# Altium PCB ALCT_MEZ_LX100.PcbDoc (part 2 of 10) (continued)
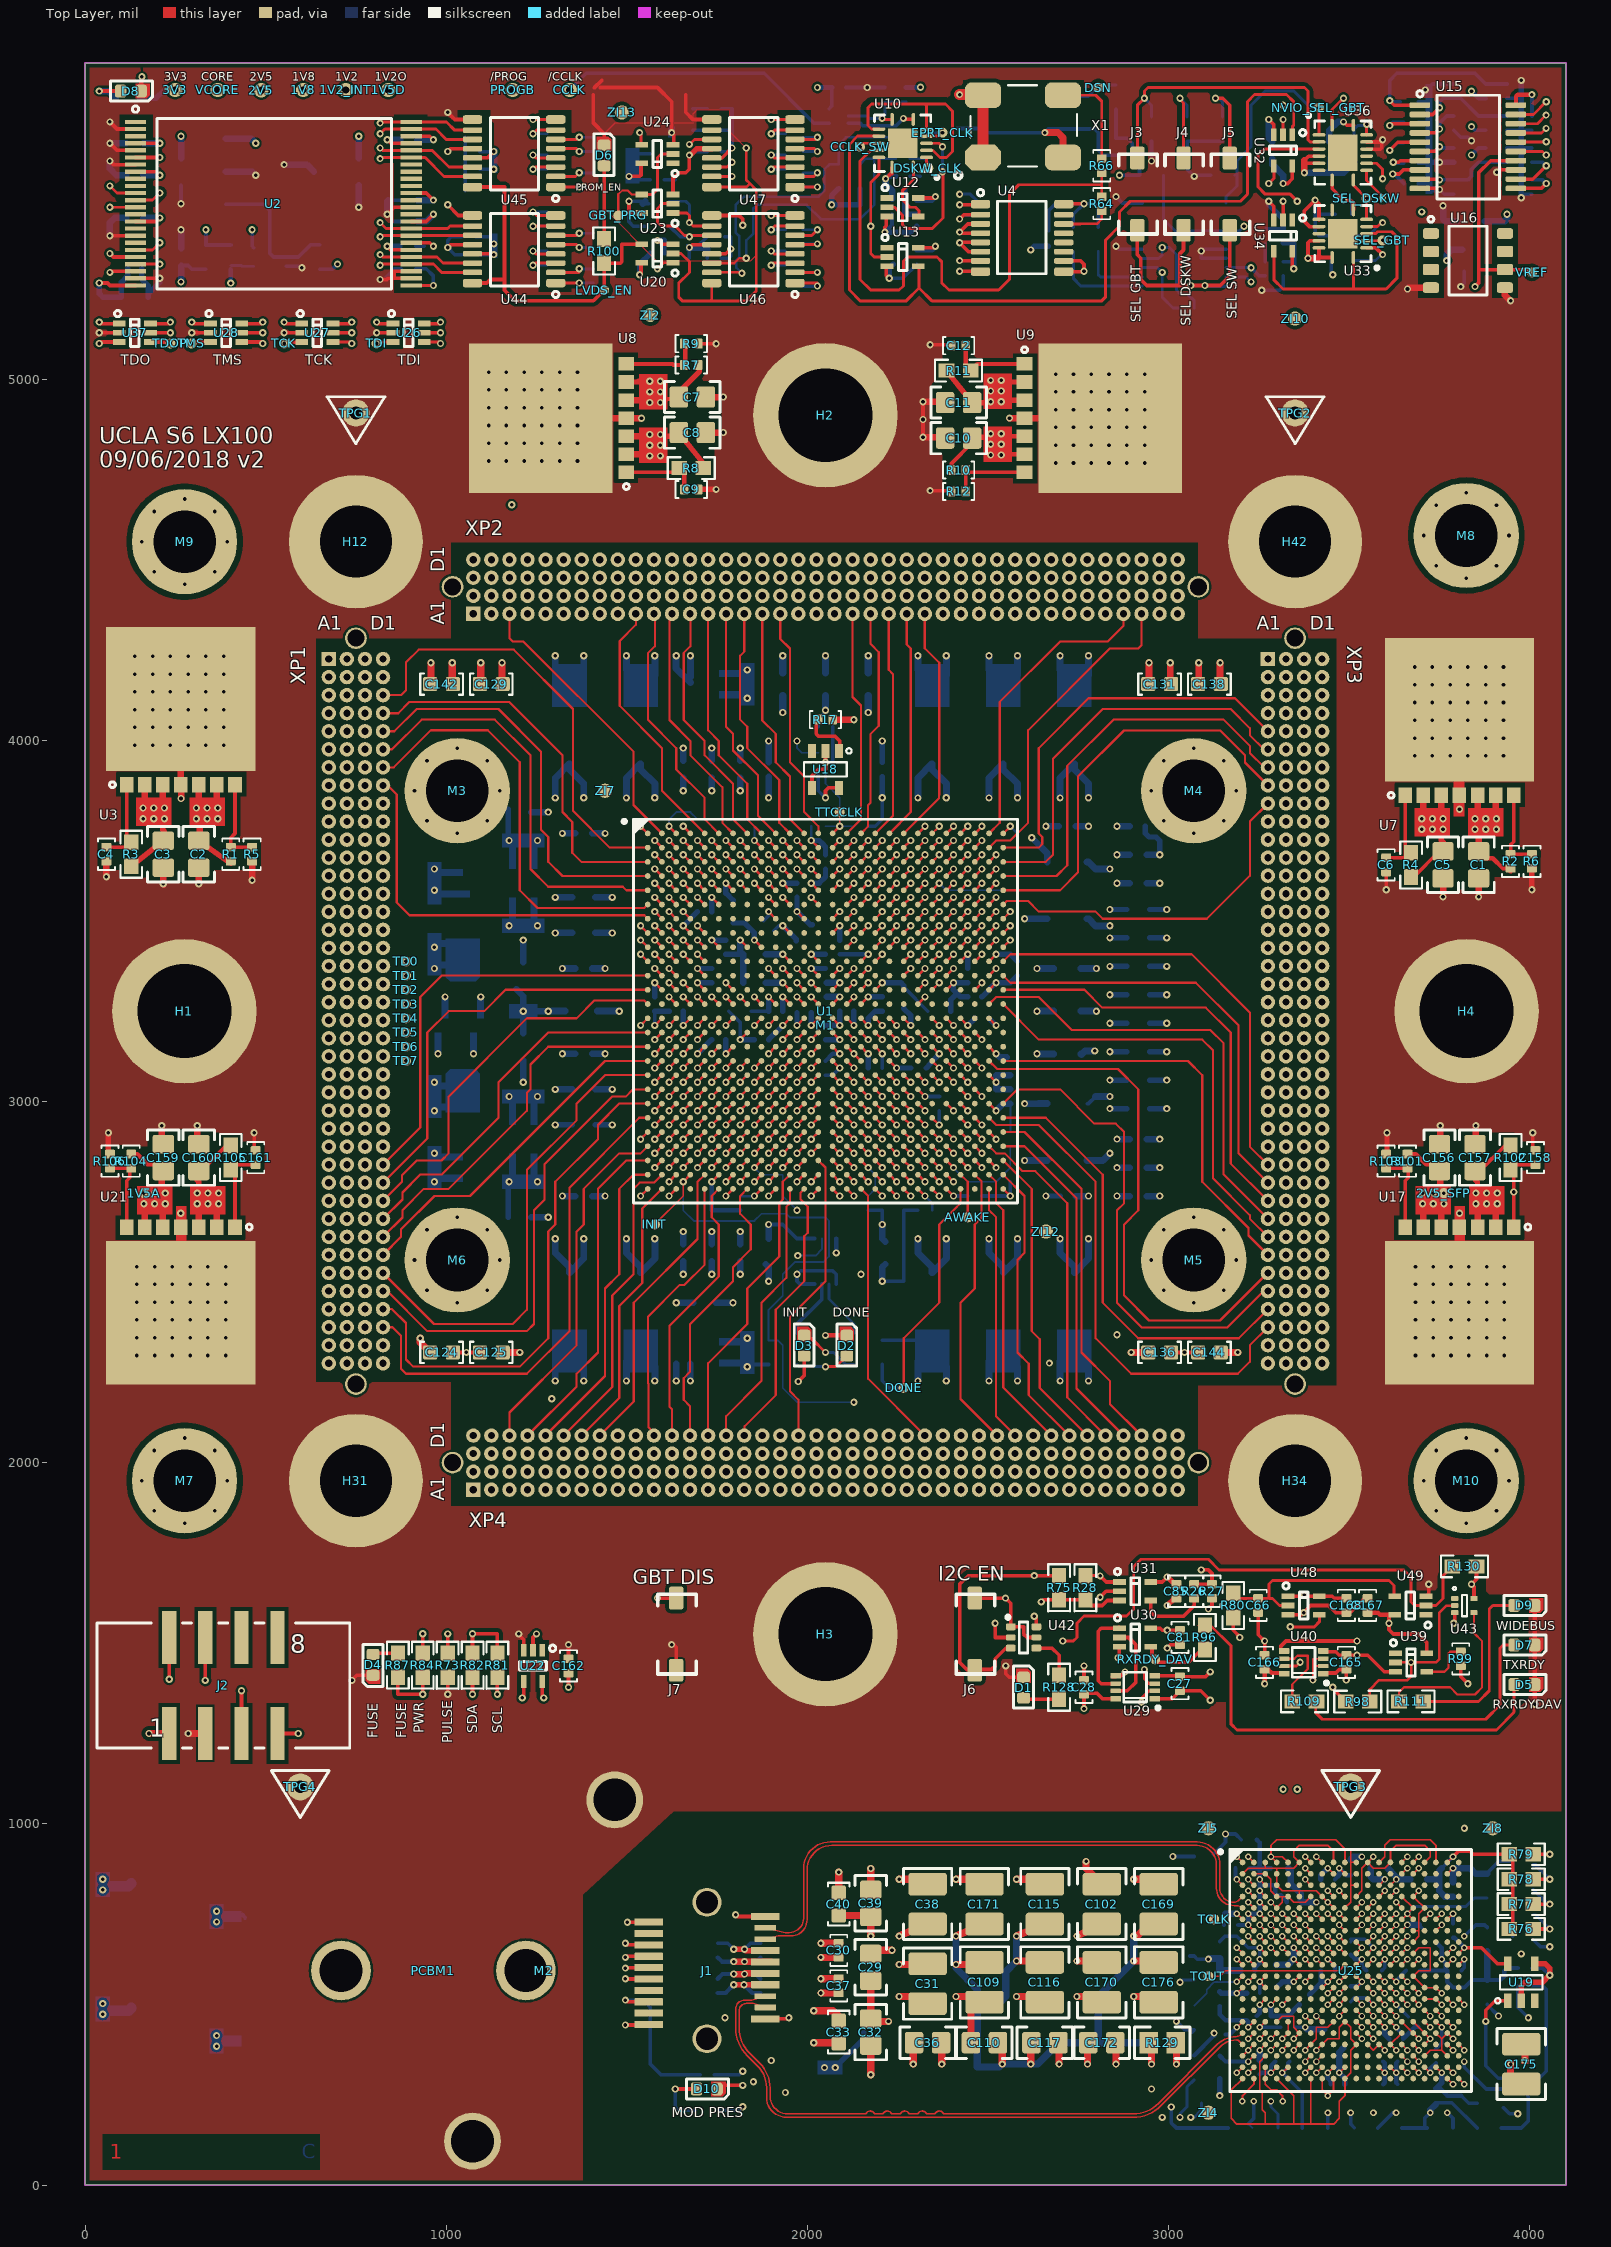
[diagram p0: Top Layer view]
## Part data (continued)
R40: library part ERJ-2GEJ106X, "RES SMD 10M OHM 5% 1/10W 0402", Manufacturer="Panasonic Electronic Components", Operating Temperature="-55°C ~ 155°C", Package / Case="0402 (1005 Metric)", Power (Watts)="0.1W, 1/10W", Supplier Device Package=0402, Supplier Part Number 1=P10MJCT-ND, Temperature Coefficient="-400/ +150ppm/°C", Tolerance=±5%, Category=Resistors, ComponentLink1Description=http://industrial.panasonic.com/www-cgi/jvcr13pz.cgi?E+PZ+3+AOA0001+ERJ2GEJ106X+7+WW, ComponentLink1URL=http://industrial.panasonic.com/www-cgi/jvcr13pz.cgi?E+PZ+3+AOA0001+ERJ2GEJ106X+7+WW, Composition="Thick Film", Failure Rate=-, Features="Automotive AEC-Q200", Height - Seated (Max)="0.016\" (0.40mm)", Manufacturer Part Number=ERJ-2GEJ106X, Number of Terminations=2, Packaging="Cut Tape (CT)", Part Status=Active, Pricing 1="1=0.1, 50=0.0106, 100=0.0078, 250=0.00596, 500=0.00476, 1000=0.0035, 5000=0.00251 (USD)", Pricing 2="1=0.1, 50=0.0106, 100=0.0078, 250=0.00596, 500=0.00476, 1000=0.0035, 5000=0.00251 (USD)", Resistance (Ohms)=10M, RoHS="RoHS Compliant", Size / Dimension="0.039\" L x 0.020\" W (1.00mm x 0.50mm)", Stock 1=53777, Stock 2=53777, Supplier 1=Digi-Key, Supplier 2=Digi-Key, Supplier Part Number 2=P10MJDKR-ND
R42 R51: library part ERJ-2GEJ750X, "RES SMD 75 OHM 5% 1/10W 0402", Manufacturer="Panasonic Electronic Components", Operating Temperature="-55°C ~ 155°C", Package / Case="0402 (1005 Metric)", Power (Watts)="0.1W, 1/10W", Supplier Device Package=0402, Supplier Part Number 1=P75JCT-ND, Temperature Coefficient=±200ppm/°C, Tolerance=±5%, Category=Resistors, ComponentLink1Description=http://industrial.panasonic.com/www-cgi/jvcr13pz.cgi?E+PZ+3+AOA0001+ERJ2GEJ750X+7+WW, ComponentLink1URL=http://industrial.panasonic.com/www-cgi/jvcr13pz.cgi?E+PZ+3+AOA0001+ERJ2GEJ750X+7+WW, Composition="Thick Film", Failure Rate=-, Features="Automotive AEC-Q200", Height - Seated (Max)="0.016\" (0.40mm)", Manufacturer Part Number=ERJ-2GEJ750X, Packaging="Cut Tape (CT)", Part Status=Active, Pricing 1="1=0.1, 10=0.02, 100=0.008, 1000=0.00359, 2500=0.00312, 5000=0.00258 (USD)", Pricing 2="1=0.1, 10=0.02, 100=0.008, 1000=0.00359, 2500=0.00312, 5000=0.00258 (USD)", RoHS="RoHS Compliant", Size / Dimension="0.039\" L x 0.020\" W (1.00mm x 0.50mm)", Stock 1=127750, Stock 2=127750, Supplier 1=Digi-Key, Supplier 2=Digi-Key, Supplier Part Number 2=P75JDKR-ND
R43 R66 R93 R97: library part "RES999G 0402", "RES SMD 999G OHM 5% 1/16W 0402", Manufacturer Part Number="Do Not Place", Supplier Device Package=0402
R62 R63 R64 R65: library part ERJ-2RKF28R0X, "RES SMD 28 OHM 1% 1/10W 0402", Manufacturer="Panasonic Electronic Components", Operating Temperature="-55°C ~ 155°C", Package / Case="0402 (1005 Metric)", Power (Watts)="0.1W, 1/10W", Supplier Device Package=0402, Supplier Part Number 1=P28.0LCT-ND, Temperature Coefficient=±100ppm/°C, Tolerance=±1%, Category=Resistors, ComponentLink1Description=https://industrial.panasonic.com/cdbs/www-data/pdf/RDA0000/AOA0000C304.pdf, ComponentLink1URL=https://industrial.panasonic.com/cdbs/www-data/pdf/RDA0000/AOA0000C304.pdf, Composition="Thick Film", Failure Rate=-, Features="Automotive AEC-Q200", Height - Seated (Max)="0.016\" (0.40mm)", Manufacturer Part Number=ERJ-2RKF28R0X, Packaging="Cut Tape (CT)", Part Status=Active, Pricing 1="1=0.1, 10=0.023, 100=0.0093, 1000=0.00419, 2500=0.00364, 5000=0.00301 (USD)", Pricing 2="1=0.1, 10=0.023, 100=0.0093, 1000=0.00419, 2500=0.00364, 5000=0.00301 (USD)", RoHS="RoHS Compliant", Size / Dimension="0.039\" L x 0.020\" W (1.00mm x 0.50mm)", Stock 1=85659, Stock 2=85659, Supplier 1=Digi-Key, Supplier 2=Digi-Key, Supplier Part Number 2=P28.0LDKR-ND
R78: library part RES999G, "RES SMD 999G OHM 5% 1/10W 0603", Manufacturer Part Number="Do Not Place", Supplier Device Package=0603
R84: library part CR0603-FX-2002ELF, "RES SMD 20K OHM 1% 1/10W 0603", Manufacturer="Bourns Inc.", Operating Temperature="-55°C ~ 155°C", Package / Case="0603 (1608 Metric)", Power (Watts)="0.1W, 1/10W", Supplier Device Package=0603, Supplier Part Number 1=CR0603-FX-2002ELFCT-ND, Temperature Coefficient=±100ppm/°C, Tolerance=±1%, Category=Resistors, ComponentLink1Description=http://www.bourns.com/docs/Product-Datasheets/CHPREZTR.pdf, ComponentLink1URL=http://www.bourns.com/docs/Product-Datasheets/CHPREZTR.pdf, Composition="Thick Film", Failure Rate=-, Features="Moisture Resistant", Height - Seated (Max)="0.022\" (0.55mm)", Manufacturer Part Number=CR0603-FX-2002ELF, Packaging="Cut Tape (CT)", Part Status=Active, Pricing 1="1=0.1, 10=0.021, 100=0.0086, 1000=0.00385, 2500=0.00334 (USD)", Pricing 2="1=0.1, 10=0.021, 100=0.0086, 1000=0.00385, 2500=0.00334 (USD)", RoHS="RoHS Compliant", Size / Dimension="0.063\" L x 0.032\" W (1.60mm x 0.80mm)", Stock 1=1108, Stock 2=1108, Supplier 1=Digi-Key, Supplier 2=Digi-Key, Supplier Part Number 2=CR0603-FX-2002ELFDKR-ND
R99: library part RC1005J000CS, "RES SMD 0.0OHM JUMPER 1/16W 0402", Manufacturer="Samsung Electro-Mechanics America, Inc.", Operating Temperature="-55°C ~ 155°C", Package / Case="0402 (1005 Metric)", Power (Watts)="0.063W, 1/16W", Resistance (Ohms)=0.0, Supplier Device Package=0402, Supplier Part Number 1=1276-3480-1-ND, Temperature Coefficient=-, Tolerance=Jumper, Category=Resistors, ComponentLink1Description=http://www.samsungsem.com/kr/support/library/product-catalog/chip_resistor.jsp, ComponentLink1URL=http://www.samsungsem.com/kr/support/library/product-catalog/chip_resistor.jsp, Composition="Thick Film", Failure Rate=-, Features="Moisture Resistant", Height - Seated (Max)="0.016\" (0.40mm)", Manufacturer Part Number=RC1005J000CS, Packaging="Cut Tape (CT)", Part Status=Active, Pricing 1="1=0.1, 10=0.01, 25=0.0076, 50=0.0056, 100=0.0042, 250=0.0032, 500=0.00256, 1000=0.00188, 5000=0.00135 (USD)", Pricing 2="1=0.1, 10=0.01, 25=0.0076, 50=0.0056, 100=0.0042, 250=0.0032, 500=0.00256, 1000=0.00188, 5000=0.00135 (USD)", RoHS="RoHS Compliant", Size / Dimension="0.039\" L x 0.020\" W (1.00mm x 0.50mm)", Stock 1=3176408, Stock 2=3176408, Supplier 1=Digi-Key, Supplier 2=Digi-Key, Supplier Part Number 2=1276-3480-6-ND
R112 R113 R114 R115 R116 R117 R118 R119 R120 R121 R122 R123 R124 R125 R126 R127: library part RMCF0402FT100R_SHORTSYM, "RES SMD 510 OHM 1% 1/16W 0402", Manufacturer="Stackpole Electronics Inc.", Manufacturer Part Number=RMCF0402FT100R, Operating Temperature="-55°C ~ 155°C", Package / Case="0402 (1005 Metric)", Power (Watts)="0.063W, 1/16W", Supplier Device Package=0402, Supplier Part Number 1=RMCF0402FT100RDKR-ND, Temperature Coefficient=±100ppm/°C, Tolerance=±1%, Category=Resistors, ComponentLink1Description=https://www.seielect.com/Catalog/SEI-RMCF_RMCP.pdf, ComponentLink1URL=https://www.seielect.com/Catalog/SEI-RMCF_RMCP.pdf, Composition="Thick Film", Failure Rate=-, Features="Automotive AEC-Q200", Height - Seated (Max)="0.016\" (0.40mm)", Packaging=Digi-Reel®, Part Status=Active, Pricing 1="1=0.1, 10=0.017, 100=0.0068, 1000=0.00306, 2500=0.00266, 5000=0.00219 (USD)", RoHS="RoHS Compliant", Size / Dimension="0.039\" L x 0.020\" W (1.00mm x 0.50mm)", Stock 1=263860, Supplier 1=Digi-Key
R129: library part CRCW080528R0FKEA, "RES SMD 28 OHM 1% 1/8W 0805", Manufacturer="Vishay Dale", Operating Temperature="-55°C ~ 155°C", Package / Case="0805 (2012 Metric)", Power (Watts)="0.125W, 1/8W", Resistance (Ohms)=28, Supplier Device Package=0805, Supplier Part Number 1=541-28.0CCT-ND, Temperature Coefficient=±100ppm/°C, Tolerance=±1%, Category=Resistors, ComponentLink1Description=http://www.vishay.com/docs/20035/dcrcwe3.pdf, ComponentLink1URL=http://www.vishay.com/docs/20035/dcrcwe3.pdf, Composition="Thick Film", Failure Rate=-, Features="Automotive AEC-Q200", Height - Seated (Max)="0.020\" (0.50mm)", Manufacturer Part Number=CRCW080528R0FKEA, Number of Terminations=2, Packaging="Cut Tape (CT)", Part Status=Active, Pricing 1="1=0.1, 10=0.04, 25=0.0288, 50=0.022, 100=0.0162, 250=0.01236, 500=0.0099, 1000=0.00729 (USD)", Pricing 2="1=0.1, 10=0.04, 25=0.0288, 50=0.022, 100=0.0162, 250=0.01236, 500=0.0099, 1000=0.00729 (USD)", RoHS="RoHS Compliant", Size / Dimension="0.079\" L x 0.049\" W (2.00mm x 1.25mm)", Stock 1=28201, Stock 2=28201, Supplier 1=Digi-Key, Supplier 2=Digi-Key, Supplier Part Number 2=541-28.0CDKR-ND
SP1: library part SPlate_MC_S6
TPG1 TPG2 TPG3 TPG4: library part TPGND, Package=90, COMPGROUP=0, COMPROT=0, COMPSIDE=TOP, mfgr=Mill-Max, mfgr_foot=Turret, mfgr_id=2341, silk=What
U1: Manufacturer="Xilinx Inc.", Operating Temperature="0°C ~ 85°C (TJ)", Package / Case=676-BGA, Supplier Device Package="676-FBGA (27x27)", Supplier Part Number 1=122-1760-ND, Voltage - Supply="1.14 V ~ 1.26 V", Category="Integrated Circuits (ICs)", ComponentLink1Description=http://www.xilinx.com/support/documentation/data_sheets/ds162.pdf, ComponentLink1URL=http://www.xilinx.com/support/documentation/data_sheets/ds162.pdf, Manufacturer Part Number=XC6SLX100-3FGG676C, Mounting Type="Surface Mount", Part Status=Active, Pricing 1="1=145.6 (USD)", RoHS="RoHS Compliant", Stock 1=275, Supplier 1=Digi-Key
U2: "IC PROM SRL/PAR 1.8V 32M 48TSOP", Manufacturer="Xilinx Inc.", Operating Temperature="-40°C ~ 85°C", Package / Case="48-TFSOP (0.724\", 18.40mm Width)", Supplier Device Package=48-TSOP, Supplier Part Number 1=122-1458-ND, Voltage - Supply="1.65 V ~ 2 V", Category="Integrated Circuits (ICs)", COMPGROUP=0, ComponentLink1Description=http://www.xilinx.com/support/documentation/data_sheets/ds123.pdf, ComponentLink1URL=http://www.xilinx.com/support/documentation/data_sheets/ds123.pdf, COMPROT=270, COMPSIDE=TOP, Manufacturer Part Number=XCF32PVOG48C, Memory Size=32Mb, mfgr=Xilinx, mfgr_foot=VOG48, mfgr_id=XCF32PVOG48C, Packaging=Tube, Part Status=Active, Pricing 1="1=27.23 (USD)", Programmable Type="In System Programmable", RoHS="RoHS Compliant", Stock 1=1063, Supplier 1=Digi-Key
U3 U7 U8 U9 U17 U21: "IC REG LDO ADJ 5A SPAK-7", Current - Output=5A, Manufacturer="Microchip Technology", Operating Temperature="-40°C ~ 125°C", Package / Case="SPak-7 (7 leads + Tab)", Supplier Device Package=S-PAK-7, Supplier Part Number 1=576-1613-ND, Voltage - Input (Max)=5.5V, Voltage - Output (Min/Fixed)=0.5V, Voltage Dropout (Max)="0.5V @ 5A", Category="Integrated Circuits (ICs)", ComponentLink1Description=http://www.microchip.com/mymicrochip/filehandler.aspx?ddocname=en580586, ComponentLink1URL=http://www.microchip.com/mymicrochip/filehandler.aspx?ddocname=en580586, Control Features=Enable, Manufacturer Part Number=MIC69502WR, Mounting Type="Surface Mount", Output Configuration=Positive, Output Type=Adjustable, Packaging=Tube, Part Status=Active, Pricing 1="1=2.98, 25=2.4884, 100=2.2575 (USD)", Protection Features="Over Current, Over Temperature", PSRR=-, RoHS="RoHS Compliant", Stock 1=2547, Supplier 1=Digi-Key, Voltage - Output (Max)=5.5V
U4: library part 74LVC161PW, "IC SYNC 4BIT BIN COUNTER 16TSSOP", Manufacturer="NXP USA Inc.", Operating Temperature="-40°C ~ 125°C", Package / Case="16-TSSOP (0.173\", 4.40mm Width)", Supplier Device Package=16-TSSOP, Supplier Part Number 1=568-7667-1-ND, Voltage - Supply="1.2 V ~ 3.6 V", Category="Integrated Circuits (ICs)", ComponentLink1Description=http://www.nxp.com/documents/data_sheet/74LVC161.pdf, ComponentLink1URL=http://www.nxp.com/documents/data_sheet/74LVC161.pdf, ComponentLink2Description=http://assets.nexperia.com/documents/data-sheet/74LVC161.pdf, ComponentLink2URL=http://assets.nexperia.com/documents/data-sheet/74LVC161.pdf, Count Rate=150MHz, Direction=Up, Logic Type="Binary Counter", Manufacturer Part Number=74LVC161PW,118, Mounting Type="Surface Mount", Number of Bits per Element=4, Number of Elements=1, Packaging="Cut Tape (CT)", Part Status=Active, Pricing 1="1=0.64, 10=0.561, 100=0.429, 500=0.3399, 1000=0.27225 (USD)", Pricing 2="1=0.64, 10=0.561, 100=0.429, 500=0.3399, 1000=0.27225 (USD)", Pricing 3="1=0.64, 10=0.561, 100=0.43, 500=0.3399, 1000=0.27192 (USD)", Pricing 4="1=0.64, 10=0.561, 100=0.43, 500=0.3399, 1000=0.27192 (USD)", Reset=Asynchronous, RoHS="RoHS Compliant", Stock 1=3261, Stock 2=3261, Stock 3=1164, Stock 4=1164, Supplier 1=Digi-Key, Supplier 2=Digi-Key, Supplier 3=Digi-Key, Supplier 4=Digi-Key, Supplier Part Number 2=568-7667-6-ND, Supplier Part Number 3=1727-5981-1-ND, Supplier Part Number 4=1727-5981-6-ND, Timing=Synchronous, Trigger Type="Positive Edge"
U5: "IC POR 2.88V 10% SOT223", Manufacturer="Maxim Integrated", Manufacturer Part Number=DS1233AZ-10+T&R, Operating Temperature="-40°C ~ 85°C (TA)", Package / Case="TO-261-4, TO-261AA", Supplier Device Package=SOT-223-3, Supplier Part Number 1=DS1233AZ-10+CT-ND, Voltage - Threshold=2.88V, Category="Integrated Circuits (ICs)", ComponentLink1Description=http://datasheets.maximintegrated.com/en/ds/DS1233A.pdf, ComponentLink1URL=http://datasheets.maximintegrated.com/en/ds/DS1233A.pdf, Mounting Type="Surface Mount", Output="Open Drain or Open Collector", Packaging="Cut Tape (CT)", Part Status=Active, Pricing 1="1=2.14, 10=2.015, 25=1.6116, 50=1.531, 100=1.4102, 250=1.33764, 500=1.28928 (USD)", Pricing 2="1=2.55, 10=2.423, 25=1.7, 50=1.615, 100=1.26, 250=1.197 (USD)", Pricing 3="1=2.14, 10=2.015, 25=1.6116, 50=1.531, 100=1.4102, 250=1.33764, 500=1.28928 (USD)", Reset="Active Low", Reset Timeout="250 ms Minimum", RoHS="RoHS Compliant", Stock 1=3429, Stock 2=2849, Stock 3=3429, Supplier 1=Digi-Key, Supplier 2=Digi-Key, Supplier 3=Digi-Key, Supplier Part Number 2=DS1233AZ-10+-ND, Supplier Part Number 3=DS1233AZ-10+DKR-ND, Type="Simple Reset/Power-On Reset"
U6 U22 U24 U39 U49: "IC BUFF/DVR NON-INVERT Open Drain SC70-5", Current - Output High, Low="-, 32mA", Manufacturer="Texas Instruments", Manufacturer Part Number=SN74LVC1G07MDCKREP, Operating Temperature="-55°C ~ 125°C (TA)", Package=99, Package / Case="5-TSSOP, SC-70-5, SOT-353", Supplier Device Package=SC-70-5, Supplier Part Number 1=296-22343-1-ND, Voltage - Supply="1.65 V ~ 5.5 V", Category="Integrated Circuits (ICs)", COMPGROUP=0, ComponentLink1Description=http://www.ti.com/lit/ds/symlink/sn74lvc1g07-ep.pdf, ComponentLink1URL=http://www.ti.com/lit/ds/symlink/sn74lvc1g07-ep.pdf, COMPROT=270, COMPSIDE=TOP, Input Type=-, Logic Type="Buffer, Non-Inverting", mfgr="Texas Inst", mfgr_foot=DCK, mfgr_id=SN74LVC1G07MDCKREP, Mounting Type="Surface Mount", Number of Bits per Element=1, Output Type="Open Drain", Packaging="Cut Tape (CT)", Part Status=Active, Pricing 1="1=0.81, 10=0.714, 100=0.5472, 500=0.4326, 1000=0.34608 (USD)", Pricing 2="1=0.81, 10=0.714, 100=0.5472, 500=0.4326, 1000=0.34608 (USD)", RoHS="RoHS Compliant", Stock 1=4252, Stock 2=4252, Supplier 1=Digi-Key, Supplier 2=Digi-Key, Supplier Part Number 2=296-22343-6-ND
U10 U33: "IC 4 BIT FET BUS SWITCH, QFN-14", Current - Output High, Low=-, Manufacturer="Texas Instruments", Manufacturer Part Number=SN74CBTLV3125RGYR, Operating Temperature="-40°C ~ 85°C", Package / Case="14-VFQFN Exposed Pad", Supplier Device Package="14-VQFN (3.5x3.5)", Supplier Part Number 1=296-15103-1-ND, Voltage - Supply="2.3 V ~ 3.6 V", Voltage Supply Source="Single Supply", Category="Integrated Circuits (ICs)", Circuit="1 x 1:1", ComponentLink1Description=http://www.ti.com/lit/ds/symlink/sn74cbtlv3125.pdf, ComponentLink1URL=http://www.ti.com/lit/ds/symlink/sn74cbtlv3125.pdf, Mounting Type="Surface Mount", Packaging="Cut Tape (CT)", Part Status=Active, Pricing 1="1=0.93, 10=0.83, 100=0.6467, 500=0.53426, 1000=0.42179 (USD)", Pricing 2="1=0.93, 10=0.83, 100=0.6467, 500=0.53426, 1000=0.42179 (USD)", RoHS="RoHS Compliant", Stock 1=3196, Stock 2=3196, Supplier 1=Digi-Key, Supplier 2=Digi-Key, Supplier Part Number 2=296-15103-6-ND, Type="Bus Switch"
U11: library part DS2401_sot223, "IC Digital Serial Number", Manufacturer="Maxim Integrated", Manufacturer Part Number=DS2401Z+T&R, Package / Case="TO-261-4, TO-261AA", Supplier Device Package=SOT-223-3, Supplier Part Number 1=DS2401Z+T&RCT-ND, Applications="PCB, Network Node, Equipment Identification/Registration", Category="Integrated Circuits (ICs)", ComponentLink1Description=http://pdfserv.maximintegrated.com/en/ds/DS2401.pdf, ComponentLink1URL=http://pdfserv.maximintegrated.com/en/ds/DS2401.pdf, Mounting Type="Surface Mount", Packaging="Cut Tape (CT)", Part Status=Active, Pricing 1="1=2, 10=1.89, 25=1.51, 50=1.43, 100=1.32, 250=1.25, 500=1.21 (USD)", Pricing 2="1=2, 10=1.89, 25=1.51, 50=1.43, 100=1.32, 250=1.25, 500=1.21 (USD)", RoHS="RoHS Compliant", Stock 1=8136, Stock 2=8136, Supplier 1=Digi-Key, Supplier 2=Digi-Key, Supplier Part Number 2=DS2401Z+T&RDKR-ND, Type="Silicon Serial Number"
U12 U13 U34: "IC INVERTER LP 5TSSOP", Current - Output High, Low="4mA, 4mA", Manufacturer="Texas Instruments", Operating Temperature="-40°C ~ 85°C", Package / Case="5-TSSOP, SC-70-5, SOT-353", Supplier Device Package=SC-70-5, Supplier Part Number 1=296-19072-6-ND, Voltage - Supply="0.8 V ~ 3.6 V", Category="Integrated Circuits (ICs)", ComponentLink1Description=http://www.ti.com/lit/ds/symlink/sn74aup1g04.pdf, ComponentLink1URL=http://www.ti.com/lit/ds/symlink/sn74aup1g04.pdf, Features=-, Logic Level - High="1.6 V ~ 2 V", Logic Level - Low="0.7 V ~ 0.9 V", Logic Type=Inverter, Manufacturer Part Number=SN74AUP1G04DCKR, Max Propagation Delay @ V, Max CL="5.4ns @ 3.3V, 30pF", Mounting Type="Surface Mount", Number of Inputs=1, Packaging=Digi-Reel®, Part Status=Active, Pricing 1="1=0.48, 10=0.364, 100=0.227, 500=0.15532, 1000=0.11948 (USD)", Pricing 2="1=0.48, 10=0.364, 100=0.227, 500=0.15532, 1000=0.11948 (USD)", RoHS="RoHS Compliant", Stock 1=7270, Stock 2=7270, Supplier 1=Digi-Key, Supplier 2=Digi-Key, Supplier Part Number 2=296-19072-1-ND
U14 U38 U43: library part SN74LVC1G34DRLR, "IC BUFFER NON-INVERT SOT5", Current - Output High, Low="32mA, 32mA", Manufacturer="Texas Instruments", Operating Temperature="-40°C ~ 125°C (TA)", Package=99, Package / Case=SOT-553, Supplier Device Package=SOT-5, Supplier Part Number 1=296-18017-1-ND, Voltage - Supply="1.65 V ~ 5.5 V", Category="Integrated Circuits (ICs)", COMPGROUP=0, ComponentLink1Description=http://www.ti.com/lit/ds/symlink/sn74lvc1g34.pdf, ComponentLink1URL=http://www.ti.com/lit/ds/symlink/sn74lvc1g34.pdf, COMPROT=270, COMPSIDE=TOP, Input Type=-, Logic Type="Buffer, Non-Inverting", Manufacturer Part Number=SN74LVC1G34DRLR, mfgr="Texas Inst", mfgr_foot=DRL, mfgr_id=SN74LVC1G34DRLR, Mounting Type="Surface Mount", Number of Bits per Element=1, Output Type=Push-Pull, Packaging="Cut Tape (CT)", Part Status=Active, Pricing 1="1=0.48, 10=0.387, 100=0.2637, 500=0.19776, 1000=0.14832 (USD)", Pricing 2="1=0.48, 10=0.387, 100=0.2637, 500=0.19776, 1000=0.14832 (USD)", RoHS="RoHS Compliant", Stock 1=1633, Stock 2=1633, Supplier 1=Digi-Key, Supplier 2=Digi-Key, Supplier Part Number 2=296-18017-6-ND
U15: "IC SERIAL OUT A/D 11-CH 20-SSOP", Manufacturer="Texas Instruments", Manufacturer Part Number=TLV2543CDBR, Operating Temperature="0°C ~ 70°C", Package / Case="20-SSOP (0.209\", 5.30mm Width)", Supplier Device Package=20-SSOP, Supplier Part Number 1=296-10643-1-ND, Voltage - Supply, Analog="3 V ~ 3.6 V", Architecture=SAR, Category="Integrated Circuits (ICs)", COMPGROUP=0, ComponentLink1Description=http://www.ti.com/lit/ds/symlink/tlv2543.pdf, ComponentLink1URL=http://www.ti.com/lit/ds/symlink/tlv2543.pdf, COMPROT=270, COMPSIDE=TOP, Configuration=MUX-S/H-ADC, Data Interface=SPI, Features=-, Input Type="Single Ended", mfgr="Texas Inst", mfgr_foot=DB20, mfgr_id=TLV2543CDB, Number of A/D Converters=1, Number of Bits=12, Number of Inputs=11, Packaging="Cut Tape (CT)", Part Status=Active, Pricing 1="1=12.64, 10=11.596, 100=9.7894, 500=8.68224, 1000=7.98299 (USD)", Pricing 2="1=12.64, 10=11.596, 100=9.7894, 500=8.68224, 1000=7.98299 (USD)", Ratio - S/H:ADC=1:1, Reference Type=External, RoHS="RoHS Compliant", Sampling Rate (Per Second)=66k, Stock 1=505, Stock 2=505, Supplier 1=Digi-Key, Supplier 2=Digi-Key, Supplier Part Number 2=296-10643-6-ND, Voltage - Supply, Digital="3 V ~ 3.6 V"